# Altium PCB Graviton-EC2-Simplified.PcbDoc (part 6 of 9) (continued)
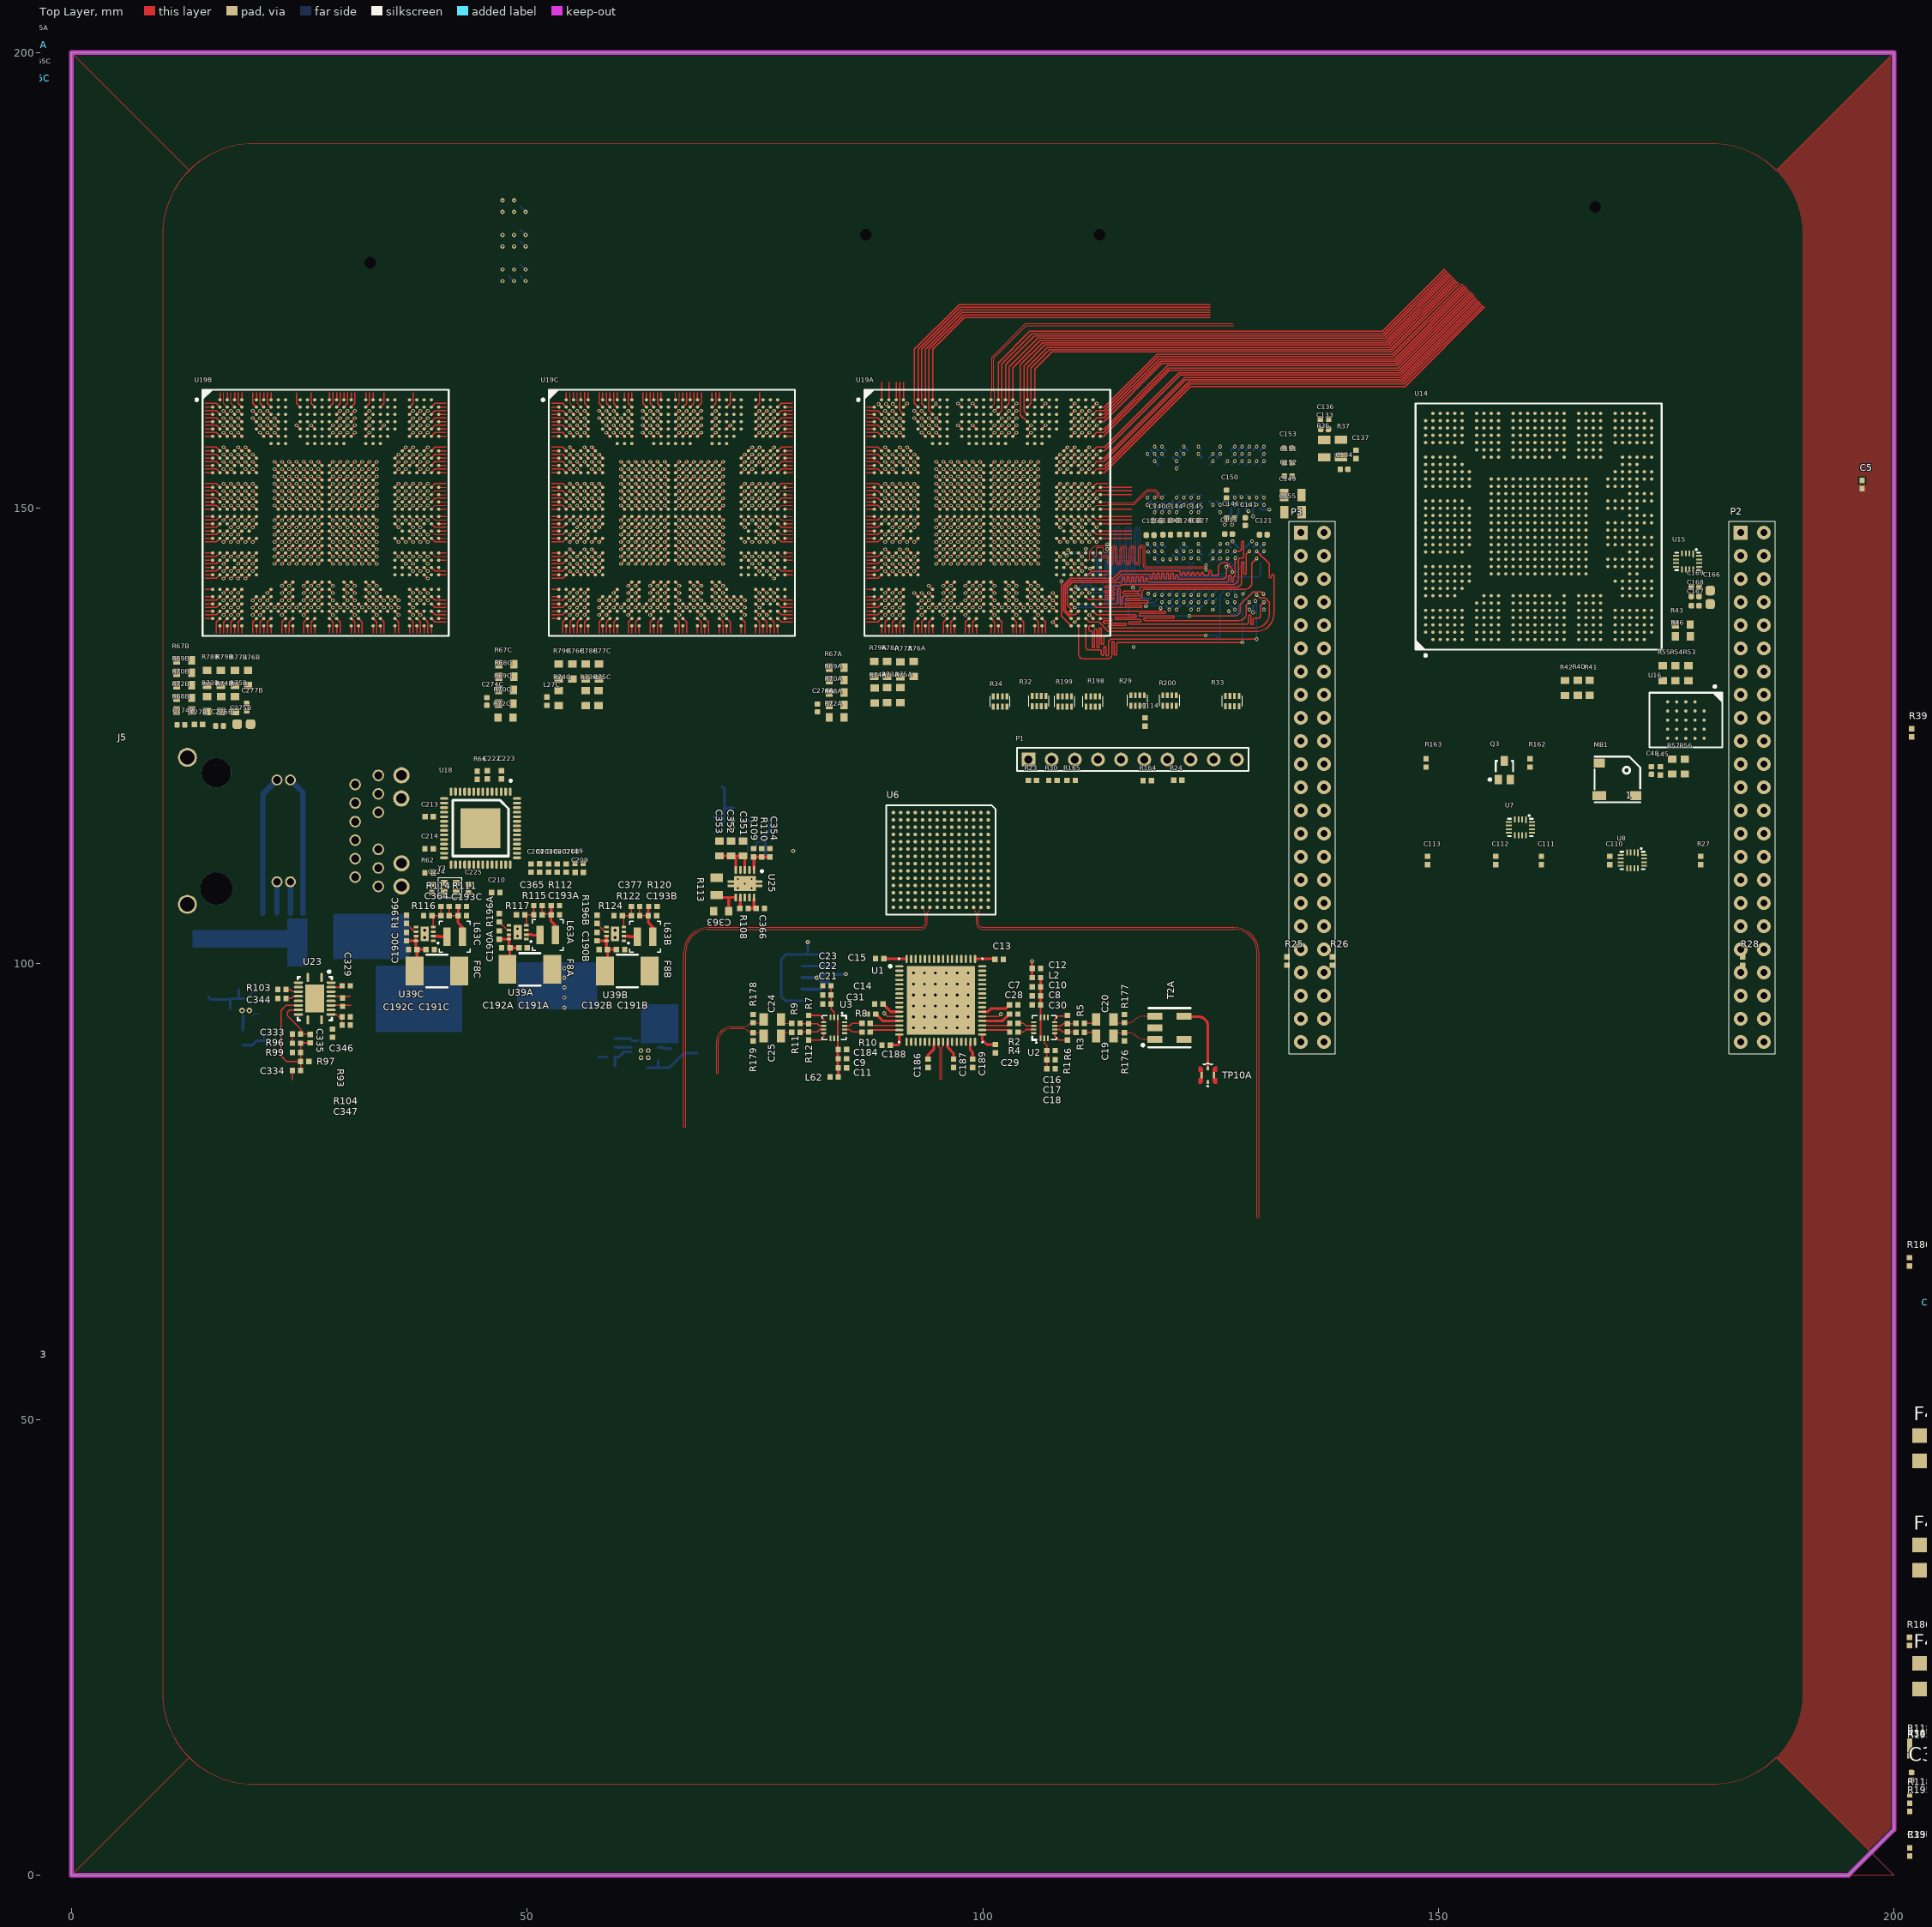
[diagram p0: Top Layer view]
## Nets (pads, with @x,y where several pads share a name; then routed paths per layer and width w, separated by ;. In a path a pad name is that pad's centre, name@x,y a point inside that pad or via, vN(x,y) a via of type N, cw(c..) or ccw(c..) an arc to the next point about the centre after c; other vN are vias at no path point) (continued)
  Top Layer w0.12: 14.685,139.9 15.9,139.9 U19B.AH2@16.3,140.3 ; 14.685,143.1 15.9,143.1 U19B.AD2@16.3,143.5 ; 14.685,146.3 15.9,146.3 U19B.Y2@16.3,146.7 ; 14.685,147.9 15.9,147.9 U19B.V2@16.3,148.3 ; 14.685,151.1 15.9,151.1 U19B.R2@16.3,150.7 ; 14.685,152.7 15.9,152.7 U19B.N2@16.3,152.3 ; 14.685,155.9 15.9,155.9 U19B.J2@16.3,155.5 ; 14.685,159.1 15.9,159.1 U19B.E2@16.3,158.7 ; 14.685,161.5 15.9,161.5 U19B.B2@16.3,161.1 ; 15.9,136.285 15.9,137.5 U19B.AL2@16.3,137.9 ; 18.3,136.285 18.3,137.5 U19B.AL5@18.7,137.9 ; 18.3,162.715 18.3,161.5 U19B.B5@18.7,161.1 ; 19.9,136.285 19.9,137.5 U19B.AL7@20.3,137.9 ; 20.3,136.285 U19B.AM7@20.3,137.1 ; 20.7,136.285 20.7,137.5 U19B.AL8@21.1,137.9 ; 21.1,136.285 U19B.AM8@21.1,137.1 ; 21.5,136.285 21.5,137.5 U19B.AL9@21.9,137.9 ; 21.5,162.715 21.5,161.5 U19B.B9@21.9,161.1 ; 21.9,136.285 U19B.AM9@21.9,137.1 ; 23.1,136.285 23.1,137.5 U19B.AL11@23.5,137.9 ; 23.5,136.285 U19B.AM11@23.5,137.1 ; 23.9,136.285 23.9,137.5 U19B.AL12@24.3,137.9 ; 24.3,136.285 U19B.AM12@24.3,137.1 ; 24.7,162.715 24.7,161.5 U19B.B13@25.1,161.1 ; 25.5,136.285 25.5,137.5 U19B.AL14@25.9,137.9 ; 25.9,136.285 U19B.AM14@25.9,137.1 ; 26.3,136.285 26.3,137.5 U19B.AL15@26.7,137.9 ; 26.3,162.715 26.3,161.5 U19B.B15@26.7,161.1 ; 26.7,136.285 U19B.AM15@26.7,137.1 ; 28.3,136.285 U19B.AM17@28.3,137.1 ; U19B.AL17@28.3,137.9 28.7,137.5 28.7,136.285 ; 29.1,136.285 U19B.AM18@29.1,137.1 ; U19B.AL18@29.1,137.9 29.5,137.5 29.5,136.285 ; U19B.B18@29.1,161.1 29.5,161.5 29.5,162.715 ; 30.7,136.285 U19B.AM20@30.7,137.1 ; U19B.AL20@30.7,137.9 31.1,137.5 31.1,136.285 ; U19B.B20@30.7,161.1 31.1,161.5 31.1,162.715 ; 31.5,136.285 U19B.AM21@31.5,137.1 ; U19B.AL21@31.5,137.9 31.9,137.5 31.9,136.285 ; 33.1,136.285 U19B.AM23@33.1,137.1 ; U19B.AL23@33.1,137.9 33.5,137.5 33.5,136.285 ; 33.9,136.285 U19B.AM24@33.9,137.1 ; U19B.AL24@33.9,137.9 34.3,137.5 34.3,136.285 ; U19B.B24@33.9,161.1 34.3,161.5 34.3,162.715 ; 35.5,136.285 U19B.AM26@35.5,137.1 ; U19B.AL26@35.5,137.9 35.9,137.5 35.9,136.285 ; U19B.B28@37.1,161.1 37.5,161.5 37.5,162.715 ; U19B.AL29@37.9,137.9 38.3,137.5 38.3,136.285 ; U19B.AL31@39.5,137.9 39.9,137.5 41.115,137.5 ; U19B.AH31@39.5,140.3 39.9,139.9 41.115,139.9 ; U19B.AD31@39.5,143.5 39.9,143.1 41.115,143.1 ; U19B.Y31@39.5,146.7 39.9,146.3 41.115,146.3 ; U19B.V31@39.5,148.3 39.9,147.9 41.115,147.9 ; U19B.R31@39.5,150.7 39.9,151.1 41.115,151.1 ; U19B.N31@39.5,152.3 39.9,152.7 41.115,152.7 ; U19B.J31@39.5,155.5 39.9,155.9 41.115,155.9 ; U19B.E31@39.5,158.7 39.9,159.1 41.115,159.1 ; U19B.B31@39.5,161.1 39.9,161.5 41.115,161.5 ; 52.685,139.9 53.9,139.9 U19C.AH2@54.3,140.3 ; 52.685,143.1 53.9,143.1 U19C.AD2@54.3,143.5 ; 52.685,146.3 53.9,146.3 U19C.Y2@54.3,146.7 ; 52.685,147.9 53.9,147.9 U19C.V2@54.3,148.3 ; 52.685,151.1 53.9,151.1 U19C.R2@54.3,150.7 ; 52.685,152.7 53.9,152.7 U19C.N2@54.3,152.3 ; 52.685,155.9 53.9,155.9 U19C.J2@54.3,155.5 ; 52.685,159.1 53.9,159.1 U19C.E2@54.3,158.7 ; 52.685,161.5 53.9,161.5 U19C.B2@54.3,161.1 ; 53.9,136.285 53.9,137.5 U19C.AL2@54.3,137.9 ; 56.3,136.285 56.3,137.5 U19C.AL5@56.7,137.9 ; 56.3,162.715 56.3,161.5 U19C.B5@56.7,161.1 ; 57.9,136.285 57.9,137.5 U19C.AL7@58.3,137.9 ; 58.3,136.285 U19C.AM7@58.3,137.1 ; 58.7,136.285 58.7,137.5 U19C.AL8@59.1,137.9 ; 59.1,136.285 U19C.AM8@59.1,137.1 ; 59.5,136.285 59.5,137.5 U19C.AL9@59.9,137.9 ; 59.5,162.715 59.5,161.5 U19C.B9@59.9,161.1 ; 59.9,136.285 U19C.AM9@59.9,137.1 ; 61.1,136.285 61.1,137.5 U19C.AL11@61.5,137.9 ; 61.5,136.285 U19C.AM11@61.5,137.1 ; 61.9,136.285 61.9,137.5 U19C.AL12@62.3,137.9 ; 62.3,136.285 U19C.AM12@62.3,137.1 ; 62.7,162.715 62.7,161.5 U19C.B13@63.1,161.1 ; 63.5,136.285 63.5,137.5 U19C.AL14@63.9,137.9 ; 63.9,136.285 U19C.AM14@63.9,137.1 ; 64.3,136.285 64.3,137.5 U19C.AL15@64.7,137.9 ; 64.3,162.715 64.3,161.5 U19C.B15@64.7,161.1 ; 64.7,136.285 U19C.AM15@64.7,137.1 ; 66.3,136.285 U19C.AM17@66.3,137.1 ; U19C.AL17@66.3,137.9 66.7,137.5 66.7,136.285 ; 67.1,136.285 U19C.AM18@67.1,137.1 ; U19C.AL18@67.1,137.9 67.5,137.5 67.5,136.285 ; U19C.B18@67.1,161.1 67.5,161.5 67.5,162.715 ; 68.7,136.285 U19C.AM20@68.7,137.1 ; U19C.AL20@68.7,137.9 69.1,137.5 69.1,136.285 ; U19C.B20@68.7,161.1 69.1,161.5 69.1,162.715 ; 69.5,136.285 U19C.AM21@69.5,137.1 ; U19C.AL21@69.5,137.9 69.9,137.5 69.9,136.285 ; 71.1,136.285 U19C.AM23@71.1,137.1 ; U19C.AL23@71.1,137.9 71.5,137.5 71.5,136.285 ; 71.9,136.285 U19C.AM24@71.9,137.1 ; U19C.AL24@71.9,137.9 72.3,137.5 72.3,136.285 ; U19C.B24@71.9,161.1 72.3,161.5 72.3,162.715 ; 73.5,136.285 U19C.AM26@73.5,137.1 ; U19C.AL26@73.5,137.9 73.9,137.5 73.9,136.285 ; U19C.B28@75.1,161.1 75.5,161.5 75.5,162.715 ; U19C.AL29@75.9,137.9 76.3,137.5 76.3,136.285 ; U19C.AL31@77.5,137.9 77.9,137.5 79.115,137.5 ; U19C.AH31@77.5,140.3 77.9,139.9 79.115,139.9 ; U19C.AD31@77.5,143.5 77.9,143.1 79.115,143.1 ; U19C.Y31@77.5,146.7 77.9,146.3 79.115,146.3 ; U19C.V31@77.5,148.3 77.9,147.9 79.115,147.9 ; U19C.R31@77.5,150.7 77.9,151.1 79.115,151.1 ; U19C.N31@77.5,152.3 77.9,152.7 79.115,152.7 ; U19C.J31@77.5,155.5 77.9,155.9 79.115,155.9 ; U19C.E31@77.5,158.7 77.9,159.1 79.115,159.1 ; U19C.B31@77.5,161.1 77.9,161.5 79.115,161.5 ; 87.285,137.5 88.5,137.5 U19A.AL2@88.9,137.9 ; 87.285,139.9 88.5,139.9 U19A.AH2@88.9,140.3 ; 87.285,143.1 88.5,143.1 U19A.AD2@88.9,143.5 ; 87.285,146.3 88.5,146.3 U19A.Y2@88.9,146.7 ; 87.285,147.9 88.5,147.9 U19A.V2@88.9,148.3 ; 87.285,151.1 88.5,151.1 U19A.R2@88.9,150.7 ; 87.285,152.7 88.5,152.7 U19A.N2@88.9,152.3 ; 87.285,155.9 88.5,155.9 U19A.J2@88.9,155.5 ; 87.285,159.1 88.5,159.1 U19A.E2@88.9,158.7 ; v1(88.583,161.417) U19A.B2@88.9,161.1 ; 90.9,136.285 90.9,137.5 U19A.AL5@91.3,137.9 ; U19A.B5@91.3,161.1 v1(91.694,161.494) ; 92.5,136.285 92.5,137.5 U19A.AL7@92.9,137.9 ; 92.9,136.285 U19A.AM7@92.9,137.1 ; 93.3,136.285 93.3,137.5 U19A.AL8@93.7,137.9 ; 93.7,136.285 U19A.AM8@93.7,137.1 ; 94.1,136.285 94.1,137.5 U19A.AL9@94.5,137.9 ; 94.5,136.285 U19A.AM9@94.5,137.1 ; U19A.B9@94.5,161.1 v1(94.869,161.469) ; 95.7,136.285 95.7,137.5 U19A.AL11@96.1,137.9 ; 96.1,136.285 U19A.AM11@96.1,137.1 ; 96.5,136.285 96.5,137.5 U19A.AL12@96.9,137.9 ; 96.9,136.285 U19A.AM12@96.9,137.1 ; v1(97.3,161.5) U19A.B13@97.7,161.1 ; 98.1,136.285 98.1,137.5 U19A.AL14@98.5,137.9 ; 98.5,136.285 U19A.AM14@98.5,137.1 ; 98.9,136.285 98.9,137.5 U19A.AL15@99.3,137.9 ; v1(98.9,161.5) U19A.B15@99.3,161.1 ; 99.3,136.285 U19A.AM15@99.3,137.1 ; 100.9,136.285 U19A.AM17@100.9,137.1 ; U19A.AL17@100.9,137.9 101.3,137.5 101.3,136.285 ; v2(101.3,160.7) U19A.B18@101.7,161.1 ; 101.7,136.285 U19A.AM18@101.7,137.1 ; U19A.AL18@101.7,137.9 102.1,137.5 102.1,136.285 ; 103.3,136.285 U19A.AM20@103.3,137.1 ; U19A.AL20@103.3,137.9 103.7,137.5 103.7,136.285 ; U19A.B20@103.3,161.1 v2(103.7,161.5) ; 104.1,136.285 U19A.AM21@104.1,137.1 ; U19A.AL21@104.1,137.9 104.5,137.5 104.5,136.285 ; 105.7,136.285 U19A.AM23@105.7,137.1 ; U19A.AL23@105.7,137.9 106.1,137.5 106.1,136.285 ; 106.5,136.285 U19A.AM24@106.5,137.1 ; U19A.AL24@106.5,137.9 106.9,137.5 106.9,136.285 ; U19A.B24@106.5,161.1 v2(106.9,161.5) ; v1(107.7,137.5) U19A.AM26@108.1,137.1 ; U19A.B28@109.7,161.1 v2(110.1,161.5) ; U19A.Y31@112.1,146.7 v2(112.5,146.3) ; U19A.V31@112.1,148.3 v2(112.5,147.9) ; U19A.R31@112.1,150.7 v2(112.5,151.1) ; U19A.N31@112.1,152.3 112.5,152.7 113.715,152.7 ; U19A.J31@112.1,155.5 v2(112.5,155.9) ; U19A.E31@112.1,158.7 v2(112.5,159.1) ; U19A.B31@112.1,161.1 v2(112.5,161.5)
  Top Layer w0.121: v2(111.76,143.383) 111.877,143.5 U19A.AD31@112.1,143.5
  Top Layer w0.127: v1(18.3,139.9) U19B.AH5@18.7,140.3 ; v1(18.3,143.1) U19B.AD5@18.7,143.5 ; v1(18.3,147.9) U19B.V5@18.7,148.3 ; v1(18.3,151.1) U19B.R5@18.7,150.7 ; v1(18.3,152.7) U19B.N5@18.7,152.3 ; v1(18.3,155.9) U19B.J5@18.7,155.5 ; v1(18.3,159.1) U19B.E5@18.7,158.7 ; v1(19.9,138.3) U19B.AK7@20.3,138.7 ; v1(19.9,139.1) U19B.AJ7@20.3,139.5 ; v1(19.9,139.9) U19B.AH7@20.3,140.3 ; v1(20.7,138.3) U19B.AK8@21.1,138.7 ; v1(20.7,139.1) U19B.AJ8@21.1,139.5 ; v1(20.7,139.9) U19B.AH8@21.1,140.3 ; v1(21.5,139.1) U19B.AJ9@21.9,139.5 ; v1(21.5,139.9) U19B.AH9@21.9,140.3 ; v1(21.5,140.7) U19B.AG9@21.9,141.1 ; v1(21.5,159.1) U19B.E9@21.9,158.7 ; v1(22.3,139.1) U19B.AJ10@22.7,139.5 ; v1(22.3,154.3) U19B.L10@22.7,153.9 ; v1(22.3,155.1) U19B.K10@22.7,154.7 ; v1(23.1,138.3) U19B.AK11@23.5,138.7 ; v1(23.1,139.1) U19B.AJ11@23.5,139.5 ; v1(23.1,139.9) U19B.AH11@23.5,140.3 ; v1(23.1,140.7) U19B.AG11@23.5,141.1 ; v1(23.1,141.5) U19B.AF11@23.5,141.9 ; v1(23.1,144.7) U19B.AB11@23.5,145.1 ; v1(23.1,145.5) U19B.AA11@23.5,145.9 ; v1(23.1,146.3) U19B.Y11@23.5,146.7 ; v1(23.1,147.1) U19B.W11@23.5,147.5 ; v1(23.1,147.9) U19B.V11@23.5,148.3 ; v1(23.1,148.7) U19B.U11@23.5,149.1 ; v1(23.1,150.3) U19B.T11@23.5,149.9 ; v1(23.1,151.1) U19B.R11@23.5,150.7 ; v1(23.1,151.9) U19B.P11@23.5,151.5 ; v1(23.1,152.7) U19B.N11@23.5,152.3 ; v1(23.1,153.5) U19B.M11@23.5,153.1 ; v1(23.1,154.3) U19B.L11@23.5,153.9 ; v1(23.1,155.1) U19B.K11@23.5,154.7 ; v1(23.9,139.1) U19B.AJ12@24.3,139.5 ; v1(23.9,139.9) U19B.AH12@24.3,140.3 ; v1(23.9,140.7) U19B.AG12@24.3,141.1 ; v1(23.9,141.5) U19B.AF12@24.3,141.9 ; v1(23.9,143.9) U19B.AC12@24.3,144.3 ; v1(23.9,144.7) U19B.AB12@24.3,145.1 ; v1(23.9,154.3) U19B.L12@24.3,153.9 ; v1(24.7,139.1) U19B.AJ13@25.1,139.5 ; v1(24.7,143.9) U19B.AC13@25.1,144.3 ; v1(24.7,144.7) U19B.AB13@25.1,145.1 ; v1(24.7,146.3) U19B.Y13@25.1,146.7 ; v1(24.7,147.1) U19B.W13@25.1,147.5 ; v1(24.7,147.9) U19B.V13@25.1,148.3 ; v1(24.7,148.7) U19B.U13@25.1,149.1 ; v1(24.7,150.3) U19B.T13@25.1,149.9 ; v1(24.7,151.1) U19B.R13@25.1,150.7 ; v1(24.7,151.9) U19B.P13@25.1,151.5 ; v1(24.7,152.7) U19B.N13@25.1,152.3 ; v1(24.7,154.3) U19B.L13@25.1,153.9 ; v1(24.7,159.1) U19B.E13@25.1,158.7 ; v1(25.5,138.3) U19B.AK14@25.9,138.7 ; v1(25.5,139.1) U19B.AJ14@25.9,139.5 ; v1(25.5,139.9) U19B.AH14@25.9,140.3 ; v1(25.5,140.7) U19B.AG14@25.9,141.1 ; v1(25.5,141.5) U19B.AF14@25.9,141.9 ; v1(25.5,143.9) U19B.AC14@25.9,144.3 ; v1(25.5,144.7) U19B.AB14@25.9,145.1 ; v1(25.5,146.3) U19B.Y14@25.9,146.7 ; v1(25.5,147.1) U19B.W14@25.9,147.5 ; v1(25.5,147.9) U19B.V14@25.9,148.3 ; v1(25.5,148.7) U19B.U14@25.9,149.1 ; v1(25.5,150.3) U19B.T14@25.9,149.9 ; v1(25.5,151.1) U19B.R14@25.9,150.7 ; v1(25.5,151.9) U19B.P14@25.9,151.5 ; v1(25.5,152.7) U19B.N14@25.9,152.3 ; v1(25.5,154.3) U19B.L14@25.9,153.9 ; v1(26.3,139.1) U19B.AJ15@26.7,139.5 ; v1(26.3,139.9) U19B.AH15@26.7,140.3 ; v1(26.3,140.7) U19B.AG15@26.7,141.1 ; v1(26.3,141.5) U19B.AF15@26.7,141.9 ; v1(26.3,143.9) U19B.AC15@26.7,144.3 ; v1(26.3,144.7) U19B.AB15@26.7,145.1 ; v1(26.3,146.3) U19B.Y15@26.7,146.7 ; v1(26.3,147.1) U19B.W15@26.7,147.5 ; v1(26.3,147.9) U19B.V15@26.7,148.3 ; v1(26.3,148.7) U19B.U15@26.7,149.1 ; v1(26.3,150.3) U19B.T15@26.7,149.9 ; v1(26.3,151.1) U19B.R15@26.7,150.7 ; v1(26.3,151.9) U19B.P15@26.7,151.5 ; v1(26.3,152.7) U19B.N15@26.7,152.3 ; v1(26.3,154.3) U19B.L15@26.7,153.9 ; v1(26.3,159.1) U19B.E15@26.7,158.7 ; v1(27.1,139.1) U19B.AJ16@27.5,139.5 ; v1(27.1,139.9) U19B.AH16@27.5,140.3 ; v1(27.1,140.7) U19B.AG16@27.5,141.1 ; v1(27.1,141.5) U19B.AF16@27.5,141.9 ; v1(27.1,143.9) U19B.AC16@27.5,144.3 ; v1(27.1,144.7) U19B.AB16@27.5,145.1 ; v1(27.1,146.3) U19B.Y16@27.5,146.7 ; v1(27.1,147.1) U19B.W16@27.5,147.5 ; v1(27.1,147.9) U19B.V16@27.5,148.3 ; v1(27.1,148.7) U19B.U16@27.5,149.1 ; v1(27.1,150.3) U19B.T16@27.5,149.9 ; v1(27.1,151.1) U19B.R16@27.5,150.7 ; v1(27.1,151.9) U19B.P16@27.5,151.5 ; v1(27.1,152.7) U19B.N16@27.5,152.3 ; v1(27.1,154.3) U19B.L16@27.5,153.9 ; U19B.AK17@28.3,138.7 v1(28.7,138.3) ; U19B.AJ17@28.3,139.5 v1(28.7,139.1) ; U19B.AH17@28.3,140.3 v1(28.7,139.9) ; U19B.AG17@28.3,141.1 v1(28.7,140.7) ; U19B.AF17@28.3,141.9 v1(28.7,141.5) ; U19B.AC17@28.3,144.3 v1(28.7,143.9) ; U19B.AB17@28.3,145.1 v1(28.7,144.7) ; U19B.Y17@28.3,146.7 v1(28.7,146.3) ; U19B.W17@28.3,147.5 v1(28.7,147.1) ; U19B.V17@28.3,148.3 v1(28.7,147.9) ; U19B.U17@28.3,149.1 v1(28.7,148.7) ; U19B.T17@28.3,149.9 v1(28.7,150.3) ; U19B.R17@28.3,150.7 v1(28.7,151.1) ; U19B.P17@28.3,151.5 v1(28.7,151.9) ; U19B.N17@28.3,152.3 v1(28.7,152.7) ; U19B.L17@28.3,153.9 v1(28.7,154.3) ; U19B.AJ18@29.1,139.5 v1(29.5,139.1) ; U19B.AC18@29.1,144.3 v1(29.5,143.9) ; U19B.AB18@29.1,145.1 v1(29.5,144.7) ; U19B.Y18@29.1,146.7 v1(29.5,146.3) ; U19B.W18@29.1,147.5 v1(29.5,147.1) ; U19B.V18@29.1,148.3 v1(29.5,147.9) ; U19B.U18@29.1,149.1 v1(29.5,148.7) ; U19B.T18@29.1,149.9 v1(29.5,150.3) ; U19B.R18@29.1,150.7 v1(29.5,151.1) ; U19B.P18@29.1,151.5 v1(29.5,151.9) ; U19B.N18@29.1,152.3 v1(29.5,152.7) ; U19B.L18@29.1,153.9 v1(29.5,154.3) ; U19B.E18@29.1,158.7 v1(29.5,159.1) ; U19B.AJ19@29.9,139.5 v1(30.3,139.1) ; U19B.AH19@29.9,140.3 v1(30.3,139.9) ; U19B.AG19@29.9,141.1 v1(30.3,140.7) ; U19B.AF19@29.9,141.9 v1(30.3,141.5) ; U19B.AC19@29.9,144.3 v1(30.3,143.9) ; U19B.AB19@29.9,145.1 v1(30.3,144.7) ; U19B.Y19@29.9,146.7 v1(30.3,146.3) ; U19B.W19@29.9,147.5 v1(30.3,147.1) ; U19B.V19@29.9,148.3 v1(30.3,147.9) ; U19B.U19@29.9,149.1 v1(30.3,148.7) ; U19B.T19@29.9,149.9 v1(30.3,150.3) ; U19B.R19@29.9,150.7 v1(30.3,151.1) ; U19B.P19@29.9,151.5 v1(30.3,151.9) ; U19B.N19@29.9,152.3 v1(30.3,152.7) ; U19B.L19@29.9,153.9 v1(30.3,154.3) ; U19B.AK20@30.7,138.7 v1(31.1,138.3) ; U19B.AJ20@30.7,139.5 v1(31.1,139.1) ; U19B.AH20@30.7,140.3 v1(31.1,139.9) ; U19B.AG20@30.7,141.1 v1(31.1,140.7) ; U19B.AF20@30.7,141.9 v1(31.1,141.5) ; U19B.AC20@30.7,144.3 v1(31.1,143.9) ; U19B.AB20@30.7,145.1 v1(31.1,144.7) ; U19B.Y20@30.7,146.7 v1(31.1,146.3) ; U19B.W20@30.7,147.5 v1(31.1,147.1) ; U19B.V20@30.7,148.3 v1(31.1,147.9) ; U19B.U20@30.7,149.1 v1(31.1,148.7) ; U19B.T20@30.7,149.9 v1(31.1,150.3) ; U19B.R20@30.7,150.7 v1(31.1,151.1) ; U19B.P20@30.7,151.5 v1(31.1,151.9) ; U19B.N20@30.7,152.3 v1(31.1,152.7) ; U19B.L20@30.7,153.9 v1(31.1,154.3) ; U19B.E20@30.7,158.7 v1(31.1,159.1) ; U19B.AJ21@31.5,139.5 v1(31.9,139.1) ; U19B.AC21@31.5,144.3 v1(31.9,143.9) ; U19B.AB21@31.5,145.1 v1(31.9,144.7) ; U19B.L21@31.5,153.9 v1(31.9,154.3) ; U19B.AJ22@32.3,139.5 v1(32.7,139.1) ; U19B.AH22@32.3,140.3 v1(32.7,139.9) ; U19B.AG22@32.3,141.1 v1(32.7,140.7) ; U19B.AF22@32.3,141.9 v1(32.7,141.5) ; U19B.AB22@32.3,145.1 v1(32.7,144.7) ; U19B.AA22@32.3,145.9 v1(32.7,145.5) ; U19B.Y22@32.3,146.7 v1(32.7,146.3) ; U19B.W22@32.3,147.5 v1(32.7,147.1) ; U19B.V22@32.3,148.3 v1(32.7,147.9) ; U19B.U22@32.3,149.1 v1(32.7,148.7) ; U19B.T22@32.3,149.9 v1(32.7,150.3) ; U19B.R22@32.3,150.7 v1(32.7,151.1) ; U19B.P22@32.3,151.5 v1(32.7,151.9) ; U19B.N22@32.3,152.3 v1(32.7,152.7) ; U19B.M22@32.3,153.1 v1(32.7,153.5) ; U19B.L22@32.3,153.9 v1(32.7,154.3) ; U19B.K22@32.3,154.7 v1(32.7,155.1) ; U19B.AK23@33.1,138.7 v1(33.5,138.3) ; U19B.AJ23@33.1,139.5 v1(33.5,139.1) ; U19B.AH23@33.1,140.3 v1(33.5,139.9) ; U19B.AG23@33.1,141.1 v1(33.5,140.7) ; U19B.AF23@33.1,141.9 v1(33.5,141.5) ; U19B.L23@33.1,153.9 v1(33.5,154.3) ; U19B.K23@33.1,154.7 v1(33.5,155.1) ; U19B.AJ24@33.9,139.5 v1(34.3,139.1) ; U19B.AH24@33.9,140.3 v1(34.3,139.9) ; U19B.E24@33.9,158.7 v1(34.3,159.1) ; U19B.AJ25@34.7,139.5 v1(35.1,139.1) ; U19B.AH25@34.7,140.3 v1(35.1,139.9) ; U19B.AK26@35.5,138.7 v1(35.9,138.3) ; U19B.AJ26@35.5,139.5 v1(35.9,139.1) ; U19B.AH26@35.5,140.3 v1(35.9,139.9) ; U19B.AD28@37.1,143.5 v1(37.5,143.1) ; U19B.V28@37.1,148.3 v1(37.5,147.9) ; U19B.R28@37.1,150.7 v1(37.5,151.1) ; U19B.N28@37.1,152.3 v1(37.5,152.7) ; U19B.J28@37.1,155.5 v1(37.5,155.9) ; U19B.E28@37.1,158.7 v1(37.5,159.1) ; U19B.AH29@37.9,140.3 v1(38.3,139.9) ; v1(56.3,139.9) U19C.AH5@56.7,140.3 ; v1(56.3,143.9) U19C.AD5@56.7,143.5 ; v1(56.3,147.9) U19C.V5@56.7,148.3 ; v1(56.3,151.1) U19C.R5@56.7,150.7 ; v1(56.3,152.7) U19C.N5@56.7,152.3 ; v1(56.3,155.9) U19C.J5@56.7,155.5 ; v1(56.3,159.1) U19C.E5@56.7,158.7 ; v1(57.9,138.3) U19C.AK7@58.3,138.7 ; v1(57.9,139.1) U19C.AJ7@58.3,139.5 ; v1(57.9,139.9) U19C.AH7@58.3,140.3 ; v1(58.7,138.3) U19C.AK8@59.1,138.7 ; v1(58.7,139.1) U19C.AJ8@59.1,139.5 ; v1(58.7,139.9) U19C.AH8@59.1,140.3 ; v1(59.5,139.1) U19C.AJ9@59.9,139.5 ; v1(59.5,139.9) U19C.AH9@59.9,140.3 ; v1(59.5,140.7) U19C.AG9@59.9,141.1 ; v1(59.5,159.1) U19C.E9@59.9,158.7 ; v1(60.3,139.1) U19C.AJ10@60.7,139.5 ; v1(60.3,154.3) U19C.L10@60.7,153.9 ; v1(60.3,155.1) U19C.K10@60.7,154.7 ; v1(61.1,138.3) U19C.AK11@61.5,138.7 ; v1(61.1,139.1) U19C.AJ11@61.5,139.5 ; v1(61.1,139.9) U19C.AH11@61.5,140.3 ; v1(61.1,140.7) U19C.AG11@61.5,141.1 ; v1(61.1,141.5) U19C.AF11@61.5,141.9 ; v1(61.1,144.7) U19C.AB11@61.5,145.1 ; v1(61.1,145.5) U19C.AA11@61.5,145.9 ; v1(61.1,146.3) U19C.Y11@61.5,146.7 ; v1(61.1,147.1) U19C.W11@61.5,147.5 ; v1(61.1,147.9) U19C.V11@61.5,148.3 ; v1(61.1,148.7) U19C.U11@61.5,149.1 ; v1(61.1,150.3) U19C.T11@61.5,149.9 ; v1(61.1,151.1) U19C.R11@61.5,150.7 ; v1(61.1,151.9) U19C.P11@61.5,151.5 ; v1(61.1,152.7) U19C.N11@61.5,152.3 ; v1(61.1,153.5) U19C.M11@61.5,153.1 ; v1(61.1,154.3) U19C.L11@61.5,153.9 ; v1(61.1,155.1) U19C.K11@61.5,154.7 ; v1(61.9,139.1) U19C.AJ12@62.3,139.5 ; v1(61.9,139.9) U19C.AH12@62.3,140.3 ; v1(61.9,140.7) U19C.AG12@62.3,141.1 ; v1(61.9,141.5) U19C.AF12@62.3,141.9 ; v1(61.9,143.9) U19C.AC12@62.3,144.3 ; v1(61.9,144.7) U19C.AB12@62.3,145.1 ; v1(61.9,154.3) U19C.L12@62.3,153.9 ; v1(62.7,139.1) U19C.AJ13@63.1,139.5 ; v1(62.7,143.9) U19C.AC13@63.1,144.3 ; v1(62.7,144.7) U19C.AB13@63.1,145.1 ; v1(62.7,146.3) U19C.Y13@63.1,146.7 ; v1(62.7,147.1) U19C.W13@63.1,147.5 ; v1(62.7,147.9) U19C.V13@63.1,148.3 ; v1(62.7,148.7) U19C.U13@63.1,149.1 ; v1(62.7,150.3) U19C.T13@63.1,149.9 ; v1(62.7,151.1) U19C.R13@63.1,150.7 ; v1(62.7,151.9) U19C.P13@63.1,151.5 ; v1(62.7,152.7) U19C.N13@63.1,152.3 ; v1(62.7,154.3) U19C.L13@63.1,153.9 ; v1(62.7,159.1) U19C.E13@63.1,158.7 ; v1(63.5,138.3) U19C.AK14@63.9,138.7 ; v1(63.5,139.1) U19C.AJ14@63.9,139.5 ; v1(63.5,139.9) U19C.AH14@63.9,140.3 ; v1(63.5,140.7) U19C.AG14@63.9,141.1 ; v1(63.5,141.5) U19C.AF14@63.9,141.9 ; v1(63.5,143.9) U19C.AC14@63.9,144.3 ; v1(63.5,144.7) U19C.AB14@63.9,145.1 ; v1(63.5,146.3) U19C.Y14@63.9,146.7 ; v1(63.5,147.1) U19C.W14@63.9,147.5 ; v1(63.5,147.9) U19C.V14@63.9,148.3 ; v1(63.5,148.7) U19C.U14@63.9,149.1 ; v1(63.5,150.3) U19C.T14@63.9,149.9 ; v1(63.5,151.1) U19C.R14@63.9,150.7 ; v1(63.5,151.9) U19C.P14@63.9,151.5 ; v1(63.5,152.7) U19C.N14@63.9,152.3 ; v1(63.5,154.3) U19C.L14@63.9,153.9 ; v1(64.3,139.1) U19C.AJ15@64.7,139.5 ; v1(64.3,139.9) U19C.AH15@64.7,140.3 ; v1(64.3,140.7) U19C.AG15@64.7,141.1 ; v1(64.3,141.5) U19C.AF15@64.7,141.9 ; v1(64.3,143.9) U19C.AC15@64.7,144.3 ; v1(64.3,144.7) U19C.AB15@64.7,145.1 ; v1(64.3,146.3) U19C.Y15@64.7,146.7 ; v1(64.3,147.1) U19C.W15@64.7,147.5 ; v1(64.3,147.9) U19C.V15@64.7,148.3 ; v1(64.3,148.7) U19C.U15@64.7,149.1 ; v1(64.3,150.3) U19C.T15@64.7,149.9 ; v1(64.3,151.1) U19C.R15@64.7,150.7 ; v1(64.3,151.9) U19C.P15@64.7,151.5 ; v1(64.3,152.7) U19C.N15@64.7,152.3 ; v1(64.3,154.3) U19C.L15@64.7,153.9 ; v1(64.3,159.1) U19C.E15@64.7,158.7 ; v1(65.1,139.1) U19C.AJ16@65.5,139.5 ; v1(65.1,139.9) U19C.AH16@65.5,140.3 ; v1(65.1,140.7) U19C.AG16@65.5,141.1 ; v1(65.1,141.5) U19C.AF16@65.5,141.9 ; v1(65.1,143.9) U19C.AC16@65.5,144.3 ; v1(65.1,144.7) U19C.AB16@65.5,145.1 ; v1(65.1,146.3) U19C.Y16@65.5,146.7 ; v1(65.1,147.1) U19C.W16@65.5,147.5 ; v1(65.1,147.9) U19C.V16@65.5,148.3 ; v1(65.1,148.7) U19C.U16@65.5,149.1 ; v1(65.1,150.3) U19C.T16@65.5,149.9 ; v1(65.1,151.1) U19C.R16@65.5,150.7 ; v1(65.1,151.9) U19C.P16@65.5,151.5 ; v1(65.1,152.7) U19C.N16@65.5,152.3 ; v1(65.1,154.3) U19C.L16@65.5,153.9 ; U19C.AK17@66.3,138.7 v1(66.7,138.3) ; U19C.AJ17@66.3,139.5 v1(66.7,139.1) ; U19C.AH17@66.3,140.3 v1(66.7,139.9) ; U19C.AG17@66.3,141.1 v1(66.7,140.7) ; U19C.AF17@66.3,141.9 v1(66.7,141.5) ; U19C.AC17@66.3,144.3 v1(66.7,143.9) ; U19C.AB17@66.3,145.1 v1(66.7,144.7) ; U19C.Y17@66.3,146.7 v1(66.7,146.3) ; U19C.W17@66.3,147.5 v1(66.7,147.1) ; U19C.V17@66.3,148.3 v1(66.7,147.9) ; U19C.U17@66.3,149.1 v1(66.7,148.7) ; U19C.T17@66.3,149.9 v1(66.7,150.3) ; U19C.R17@66.3,150.7 v1(66.7,151.1) ; U19C.P17@66.3,151.5 v1(66.7,151.9) ; U19C.N17@66.3,152.3 v1(66.7,152.7) ; U19C.L17@66.3,153.9 v1(66.7,154.3) ; U19C.AJ18@67.1,139.5 v1(67.5,139.1) ; U19C.AC18@67.1,144.3 v1(67.5,143.9) ; U19C.AB18@67.1,145.1 v1(67.5,144.7) ; U19C.Y18@67.1,146.7 v1(67.5,146.3) ; U19C.W18@67.1,147.5 v1(67.5,147.1) ; U19C.V18@67.1,148.3 v1(67.5,147.9) ; U19C.U18@67.1,149.1 v1(67.5,148.7) ; U19C.T18@67.1,149.9 v1(67.5,150.3) ; U19C.R18@67.1,150.7 v1(67.5,151.1) ; U19C.P18@67.1,151.5 v1(67.5,151.9) ; U19C.N18@67.1,152.3 v1(67.5,152.7) ; U19C.L18@67.1,153.9 v1(67.5,154.3) ; U19C.E18@67.1,158.7 v1(67.5,159.1) ; U19C.AJ19@67.9,139.5 v1(68.3,139.1) ; U19C.AH19@67.9,140.3 v1(68.3,139.9) ; U19C.AG19@67.9,141.1 v1(68.3,140.7) ; U19C.AF19@67.9,141.9 v1(68.3,141.5) ; U19C.AC19@67.9,144.3 v1(68.3,143.9) ; U19C.AB19@67.9,145.1 v1(68.3,144.7) ; U19C.Y19@67.9,146.7 v1(68.3,146.3) ; U19C.W19@67.9,147.5 v1(68.3,147.1) ; U19C.V19@67.9,148.3 v1(68.3,147.9) ; U19C.U19@67.9,149.1 v1(68.3,148.7) ; U19C.T19@67.9,149.9 v1(68.3,150.3) ; U19C.R19@67.9,150.7 v1(68.3,151.1) ; U19C.P19@67.9,151.5 v1(68.3,151.9) ; U19C.N19@67.9,152.3 v1(68.3,152.7) ; U19C.L19@67.9,153.9 v1(68.3,154.3) ; U19C.AK20@68.7,138.7 v1(69.1,138.3) ; U19C.AJ20@68.7,139.5 v1(69.1,139.1) ; U19C.AH20@68.7,140.3 v1(69.1,139.9) ; U19C.AG20@68.7,141.1 v1(69.1,140.7) ; U19C.AF20@68.7,141.9 v1(69.1,141.5) ; U19C.AC20@68.7,144.3 v1(69.1,143.9) ; U19C.AB20@68.7,145.1 v1(69.1,144.7) ; U19C.Y20@68.7,146.7 v1(69.1,146.3) ; U19C.W20@68.7,147.5 v1(69.1,147.1) ; U19C.V20@68.7,148.3 v1(69.1,147.9) ; U19C.U20@68.7,149.1 v1(69.1,148.7) ; U19C.T20@68.7,149.9 v1(69.1,150.3) ; U19C.R20@68.7,150.7 v1(69.1,151.1) ; U19C.P20@68.7,151.5 v1(69.1,151.9) ; U19C.N20@68.7,152.3 v1(69.1,152.7) ; U19C.L20@68.7,153.9 v1(69.1,154.3) ; U19C.E20@68.7,158.7 v1(69.1,159.1) ; U19C.AJ21@69.5,139.5 v1(69.9,139.1) ; U19C.AC21@69.5,144.3 v1(69.9,143.9) ; U19C.AB21@69.5,145.1 v1(69.9,144.7) ; U19C.L21@69.5,153.9 v1(69.9,154.3) ; U19C.AJ22@70.3,139.5 v1(70.7,139.1) ; U19C.AH22@70.3,140.3 v1(70.7,139.9) ; U19C.AG22@70.3,141.1 v1(70.7,140.7) ; U19C.AF22@70.3,141.9 v1(70.7,141.5) ; U19C.AB22@70.3,145.1 v1(70.7,144.7) ; U19C.AA22@70.3,145.9 v1(70.7,145.5) ; U19C.Y22@70.3,146.7 v1(70.7,146.3) ; U19C.W22@70.3,147.5 v1(70.7,147.1) ; U19C.V22@70.3,148.3 v1(70.7,147.9) ; U19C.U22@70.3,149.1 v1(70.7,148.7) ; U19C.T22@70.3,149.9 v1(70.7,150.3) ; U19C.R22@70.3,150.7 v1(70.7,151.1) ; U19C.P22@70.3,151.5 v1(70.7,151.9) ; U19C.N22@70.3,152.3 v1(70.7,152.7) ; U19C.M22@70.3,153.1 v1(70.7,153.5) ; U19C.L22@70.3,153.9 v1(70.7,154.3) ; U19C.K22@70.3,154.7 v1(70.7,155.1) ; U19C.AK23@71.1,138.7 v1(71.5,138.3) ; U19C.AJ23@71.1,139.5 v1(71.5,139.1) ; U19C.AH23@71.1,140.3 v1(71.5,139.9) ; U19C.AG23@71.1,141.1 v1(71.5,140.7) ; U19C.AF23@71.1,141.9 v1(71.5,141.5) ; U19C.L23@71.1,153.9 v1(71.5,154.3) ; U19C.K23@71.1,154.7 v1(71.5,155.1) ; U19C.AJ24@71.9,139.5 v1(72.3,139.1) ; U19C.AH24@71.9,140.3 v1(72.3,139.9) ; U19C.E24@71.9,158.7 v1(72.3,159.1) ; U19C.AJ25@72.7,139.5 v1(73.1,139.1) ; U19C.AH25@72.7,140.3 v1(73.1,139.9) ; U19C.AK26@73.5,138.7 v1(73.9,138.3) ; U19C.AJ26@73.5,139.5 v1(73.9,139.1) ; U19C.AH26@73.5,140.3 v1(73.9,139.9) ; U19C.AD28@75.1,143.5 v1(75.5,143.1) ; U19C.V28@75.1,148.3 v1(75.5,147.9) ; U19C.R28@75.1,150.7 v1(75.5,151.1) ; U19C.N28@75.1,152.3 v1(75.5,152.7) ; U19C.J28@75.1,155.5 v1(75.5,155.9) ; U19C.E28@75.1,158.7 v1(75.5,159.1) ; U19C.AH29@75.9,140.3 v1(76.3,139.9) ; v1(90.9,139.9) U19A.AH5@91.3,140.3 ; v1(90.9,143.9) U19A.AD5@91.3,143.5 ; v1(90.9,147.9) U19A.V5@91.3,148.3 ; v1(90.9,151.1) U19A.R5@91.3,150.7 ; v1(90.9,152.7) U19A.N5@91.3,152.3 ; v1(90.9,155.9) U19A.J5@91.3,155.5 ; v1(90.9,159.1) U19A.E5@91.3,158.7 ; v1(92.5,140.7) U19A.AH7@92.9,140.3 ; U19A.AK7@92.9,138.7 v1(93.3,139.1) ; U19A.AJ7@92.9,139.5 v1(93.3,139.9) ; v1(93.3,138.3) U19A.AK8@93.7,138.7 ; v1(93.3,140.7) U19A.AH8@93.7,140.3 ; U19A.AJ8@93.7,139.5 v1(94.1,139.9) ; v1(94.1,139.1) U19A.AJ9@94.5,139.5 ; v1(94.1,140.7) U19A.AH9@94.5,140.3 ; v1(94.1,141.5) U19A.AG9@94.5,141.1 ; v1(94.1,159.1) U19A.E9@94.5,158.7 ; v1(94.9,139.1) U19A.AJ10@95.3,139.5 ; v1(94.9,154.3) U19A.L10@95.3,153.9 ; v1(94.9,155.1) U19A.K10@95.3,154.7 ; v1(95.7,138.3) U19A.AK11@96.1,138.7 ; v1(95.7,139.1) U19A.AJ11@96.1,139.5 ; v1(95.7,139.9) U19A.AH11@96.1,140.3 ; v1(95.7,140.7) U19A.AG11@96.1,141.1 ; v1(95.7,141.5) U19A.AF11@96.1,141.9 ; v1(95.7,144.7) U19A.AB11@96.1,145.1 ; v1(95.7,145.5) U19A.AA11@96.1,145.9 ; v1(95.7,146.3) U19A.Y11@96.1,146.7 ; v1(95.7,147.1) U19A.W11@96.1,147.5 ; v1(95.7,147.9) U19A.V11@96.1,148.3 ; v1(95.7,148.7) U19A.U11@96.1,149.1 ; v1(95.7,150.3) U19A.T11@96.1,149.9 ; v1(95.7,151.1) U19A.R11@96.1,150.7 ; v1(95.7,151.9) U19A.P11@96.1,151.5 ; v1(95.7,152.7) U19A.N11@96.1,152.3 ; v1(95.7,153.5) U19A.M11@96.1,153.1 ; v1(95.7,154.3) U19A.L11@96.1,153.9 ; v1(95.7,155.1) U19A.K11@96.1,154.7 ; v1(96.5,139.1) U19A.AJ12@96.9,139.5 ; v1(96.5,139.9) U19A.AH12@96.9,140.3 ; v1(96.5,140.7) U19A.AG12@96.9,141.1 ; v1(96.5,141.5) U19A.AF12@96.9,141.9 ; v1(96.5,143.9) U19A.AC12@96.9,144.3 ; v1(96.5,144.7) U19A.AB12@96.9,145.1 ; v1(96.5,154.3) U19A.L12@96.9,153.9 ; v1(97.3,139.1) U19A.AJ13@97.7,139.5 ; v1(97.3,143.9) U19A.AC13@97.7,144.3 ; v1(97.3,144.7) U19A.AB13@97.7,145.1 ; v1(97.3,146.3) U19A.Y13@97.7,146.7 ; v1(97.3,147.1) U19A.W13@97.7,147.5 ; v1(97.3,147.9) U19A.V13@97.7,148.3 ; v1(97.3,151.1) U19A.R13@97.7,150.7 ; v1(97.3,151.9) U19A.P13@97.7,151.5 ; v1(97.3,152.7) U19A.N13@97.7,152.3 ; v1(97.3,154.3) U19A.L13@97.7,153.9 ; v1(97.3,159.1) U19A.E13@97.7,158.7 ; v1(98.1,138.3) U19A.AK14@98.5,138.7 ; v1(98.1,139.1) U19A.AJ14@98.5,139.5 ; v1(98.1,139.9) U19A.AH14@98.5,140.3 ; v1(98.1,140.7) U19A.AG14@98.5,141.1 ; v1(98.1,141.5) U19A.AF14@98.5,141.9 ; v1(98.1,143.9) U19A.AC14@98.5,144.3 ; v1(98.1,144.7) U19A.AB14@98.5,145.1 ; v1(98.1,146.3) U19A.Y14@98.5,146.7 ; v1(98.1,147.1) U19A.W14@98.5,147.5 ; v1(98.1,147.9) U19A.V14@98.5,148.3 ; v1(98.1,148.7) U19A.U14@98.5,149.1 ; v1(98.1,150.3) U19A.T14@98.5,149.9 ; v1(98.1,151.1) U19A.R14@98.5,150.7 ; v1(98.1,151.9) U19A.P14@98.5,151.5 ; v1(98.1,152.7) U19A.N14@98.5,152.3 ; v1(98.1,154.3) U19A.L14@98.5,153.9 ; v1(98.9,139.1) U19A.AJ15@99.3,139.5 ; v1(98.9,139.9) U19A.AH15@99.3,140.3 ; v1(98.9,140.7) U19A.AG15@99.3,141.1 ; v1(98.9,141.5) U19A.AF15@99.3,141.9 ; v1(98.9,143.9) U19A.AC15@99.3,144.3 ; v1(98.9,144.7) U19A.AB15@99.3,145.1 ; v1(98.9,146.3) U19A.Y15@99.3,146.7 ; v1(98.9,147.1) U19A.W15@99.3,147.5 ; v1(98.9,147.9) U19A.V15@99.3,148.3 ; v1(98.9,148.7) U19A.U15@99.3,149.1 ; v1(98.9,150.3) U19A.T15@99.3,149.9 ; v1(98.9,151.1) U19A.R15@99.3,150.7 ; v1(98.9,151.9) U19A.P15@99.3,151.5 ; v1(98.9,152.7) U19A.N15@99.3,152.3 ; v1(98.9,154.3) U19A.L15@99.3,153.9 ; v1(98.9,159.1) U19A.E15@99.3,158.7 ; v1(99.7,139.1) U19A.AJ16@100.1,139.5 ; v1(99.7,139.9) U19A.AH16@100.1,140.3 ; v1(99.7,140.7) U19A.AG16@100.1,141.1 ; v1(99.7,141.5) U19A.AF16@100.1,141.9 ; v1(99.7,143.9) U19A.AC16@100.1,144.3 ; v1(99.7,144.7) U19A.AB16@100.1,145.1 ; v1(99.7,147.1) U19A.W16@100.1,147.5 ; v1(99.7,147.9) U19A.V16@100.1,148.3 ; v1(99.7,148.7) U19A.U16@100.1,149.1 ; v1(99.7,150.3) U19A.T16@100.1,149.9 ; v1(99.7,151.1) U19A.R16@100.1,150.7 ; v1(99.7,151.9) U19A.P16@100.1,151.5 ; v1(99.7,154.3) U19A.L16@100.1,153.9 ; U19A.AK17@100.9,138.7 v1(101.3,138.3) ; U19A.AJ17@100.9,139.5 v1(101.3,139.1) ; U19A.AH17@100.9,140.3 v1(101.3,139.9) ; U19A.AG17@100.9,141.1 v1(101.3,140.7) ; U19A.AF17@100.9,141.9 v1(101.3,141.5) ; U19A.AC17@100.9,144.3 v7(101.3,143.9) ; U19A.AB17@100.9,145.1 v1(101.3,144.7) ; U19A.W17@100.9,147.5 v1(101.3,147.1) ; U19A.U17@100.9,149.1 v1(101.3,148.7) ; U19A.T17@100.9,149.9 v1(101.3,150.3) ; U19A.R17@100.9,150.7 v1(101.3,151.1) ; U19A.P17@100.9,151.5 v1(101.3,151.9) ; U19A.L17@100.9,153.9 v1(101.3,154.3) ; U19A.AJ18@101.7,139.5 v1(102.1,139.1) ; U19A.AC18@101.7,144.3 v1(102.1,143.9) ; U19A.AB18@101.7,145.1 v1(102.1,144.7) ; U19A.Y18@101.7,146.7 v1(102.1,146.3) ; U19A.W18@101.7,147.5 v1(102.1,147.1) ; U19A.T18@101.7,149.9 v1(102.1,150.3) ; U19A.R18@101.7,150.7 v1(102.1,151.1) ; U19A.P18@101.7,151.5 v1(102.1,151.9) ; U19A.N18@101.7,152.3 v1(102.1,152.7) ; U19A.L18@101.7,153.9 v1(102.1,154.3) ; U19A.E18@101.7,158.7 v1(102.1,159.1) ; U19A.AJ19@102.5,139.5 v1(102.9,139.1) ; U19A.AH19@102.5,140.3 v1(102.9,139.9) ; U19A.AG19@102.5,141.1 v1(102.9,140.7) ; U19A.AF19@102.5,141.9 v1(102.9,141.5) ; U19A.AC19@102.5,144.3 v1(102.9,143.9) ; U19A.AB19@102.5,145.1 v1(102.9,144.7) ; U19A.Y19@102.5,146.7 v1(102.9,146.3) ; U19A.W19@102.5,147.5 v1(102.9,147.1) ; U19A.V19@102.5,148.3 v1(102.9,147.9) ; U19A.U19@102.5,149.1 v1(102.9,148.7) ; U19A.T19@102.5,149.9 v1(102.9,150.3) ; U19A.R19@102.5,150.7 v1(102.9,151.1) ; U19A.P19@102.5,151.5 v1(102.9,151.9) ; U19A.N19@102.5,152.3 v1(102.9,152.7) ; U19A.L19@102.5,153.9 v1(102.9,154.3) ; U19A.AK20@103.3,138.7 v1(103.7,138.3) ; U19A.AJ20@103.3,139.5 v1(103.7,139.1) ; U19A.AH20@103.3,140.3 v1(103.7,139.9) ; U19A.AG20@103.3,141.1 v1(103.7,140.7) ; U19A.AF20@103.3,141.9 v1(103.7,141.5) ; U19A.AC20@103.3,144.3 v1(103.7,143.9) ; U19A.AB20@103.3,145.1 v1(103.7,144.7) ; U19A.Y20@103.3,146.7 v1(103.7,146.3) ; U19A.W20@103.3,147.5 v1(103.7,147.1) ; U19A.V20@103.3,148.3 v1(103.7,147.9) ; U19A.R20@103.3,150.7 v1(103.7,151.1) ; U19A.P20@103.3,151.5 v1(103.7,151.9) ; U19A.N20@103.3,152.3 v1(103.7,152.7) ; U19A.L20@103.3,153.9 v1(103.7,154.3) ; U19A.E20@103.3,158.7 v1(103.7,159.1) ; U19A.AJ21@104.1,139.5 v1(104.5,139.1) ; U19A.AC21@104.1,144.3 v1(104.5,143.9) ; U19A.AB21@104.1,145.1 v1(104.5,144.7) ; U19A.L21@104.1,153.9 v1(104.5,154.3) ; U19A.AJ22@104.9,139.5 v1(105.3,139.1) ; U19A.AH22@104.9,140.3 v1(105.3,139.9) ; U19A.AG22@104.9,141.1 v1(105.3,140.7) ; U19A.AF22@104.9,141.9 v1(105.3,141.5) ; U19A.AB22@104.9,145.1 v1(105.3,144.7) ; U19A.AA22@104.9,145.9 v1(105.3,145.5) ; U19A.Y22@104.9,146.7 v1(105.3,146.3) ; U19A.W22@104.9,147.5 v1(105.3,147.1) ; U19A.V22@104.9,148.3 v1(105.3,147.9) ; U19A.U22@104.9,149.1 v1(105.3,148.7) ; U19A.T22@104.9,149.9 v1(105.3,150.3) ; U19A.R22@104.9,150.7 v1(105.3,151.1) ; U19A.P22@104.9,151.5 v1(105.3,151.9) ; U19A.N22@104.9,152.3 v1(105.3,152.7) ; U19A.M22@104.9,153.1 v1(105.3,153.5) ; U19A.L22@104.9,153.9 v1(105.3,154.3) ; U19A.K22@104.9,154.7 v1(105.3,155.1) ; U19A.AK23@105.7,138.7 v1(106.1,138.3) ; U19A.AJ23@105.7,139.5 v1(106.1,139.1) ; U19A.AH23@105.7,140.3 v1(106.1,139.9) ; U19A.AG23@105.7,141.1 v1(106.1,140.7) ; U19A.AF23@105.7,141.9 v1(106.1,141.5) ; U19A.L23@105.7,153.9 v1(106.1,154.3) ; U19A.K23@105.7,154.7 v1(106.1,155.1) ; U19A.AJ24@106.5,139.5 v1(106.9,139.1) ; U19A.AH24@106.5,140.3 v1(106.9,139.9) ; U19A.E24@106.5,158.7 v1(106.9,159.1) ; U19A.AJ25@107.3,139.5 v1(107.7,139.1) U19A.AK26@108.1,138.7 ; U19A.AH25@107.3,140.3 v1(107.7,139.9) U19A.AJ26@108.1,139.5 ; v1(107.7,137.5) U19A.AL26@108.1,137.9 ; v1(107.7,140.7) U19A.AH26@108.1,140.3 ; U19A.AD28@109.7,143.5 v1(110.1,143.1) ; U19A.R28@109.7,150.7 v1(110.1,151.1) ; U19A.N28@109.7,152.3 v1(110.1,152.7) ; U19A.J28@109.7,155.5 v1(110.1,155.9) ; U19A.E28@109.7,158.7 v1(110.1,159.1) ; v2(110.1,137.5) U19A.AL29@110.5,137.9 ; U19A.AH29@110.5,140.3 v1(110.9,140.7) ; v1(111.7,138.3) U19A.AL31@112.1,137.9
  Bottom Layer w0.152: U9.A9@118.459,139.294 U9.B9@119.259,139.294 v2@119.523,139.03